# Altium PCB JDDZ.PcbDoc
Units mil, origin at the board's own origin, x right, y up, seen from the top; angles counter-clockwise.
Board outline 2165.35 x 2165.35 mil, 2 copper layers (Top Layer, Bottom Layer); 69 components, 50 nets, 275 pads, 93 vias.
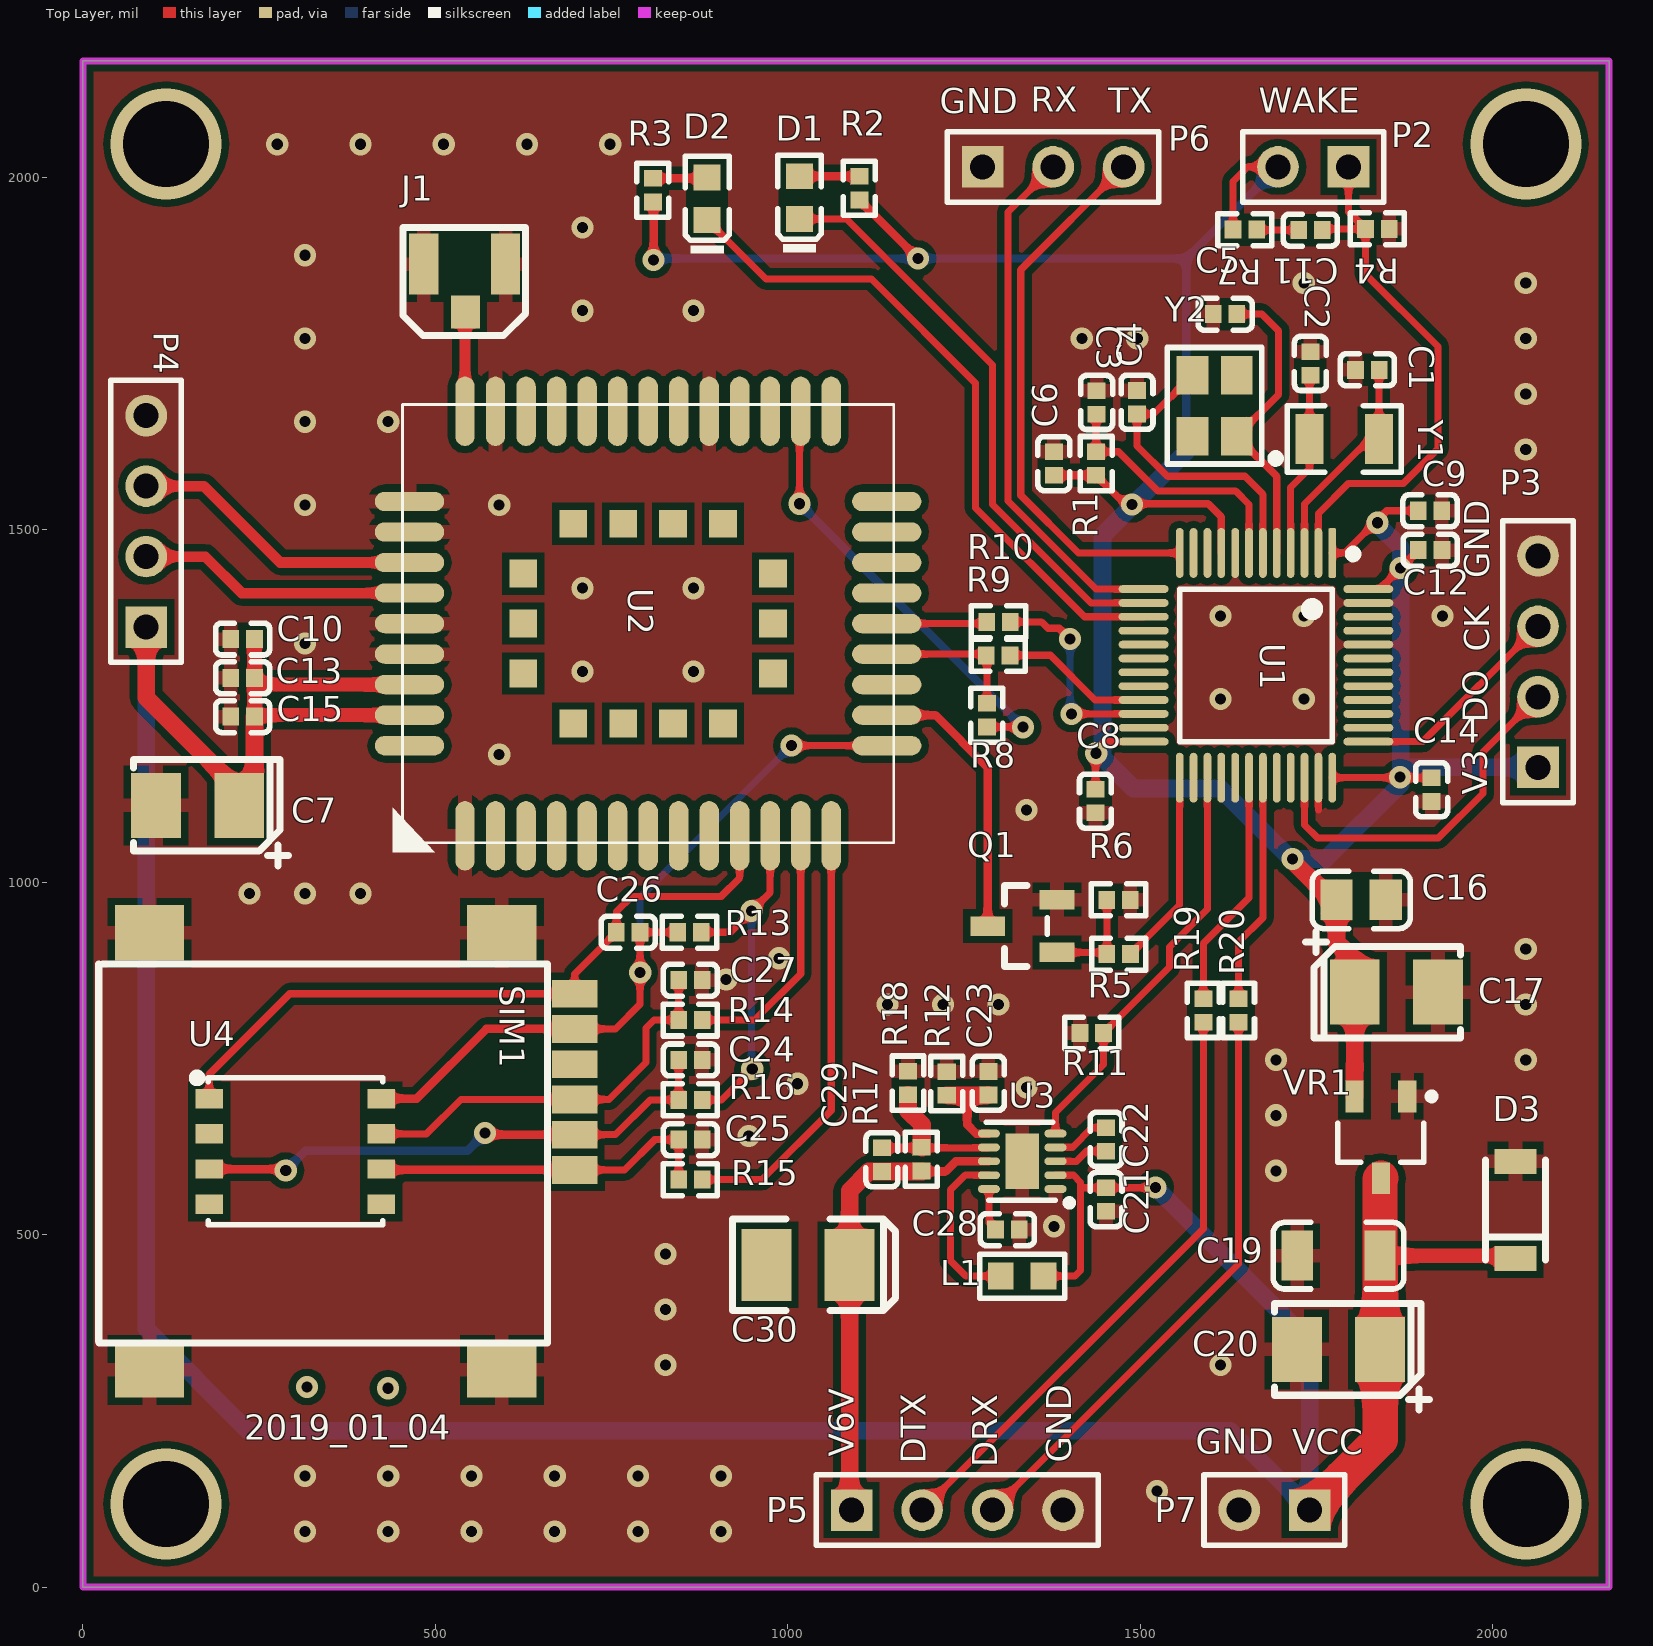
[diagram p0: Top Layer view]
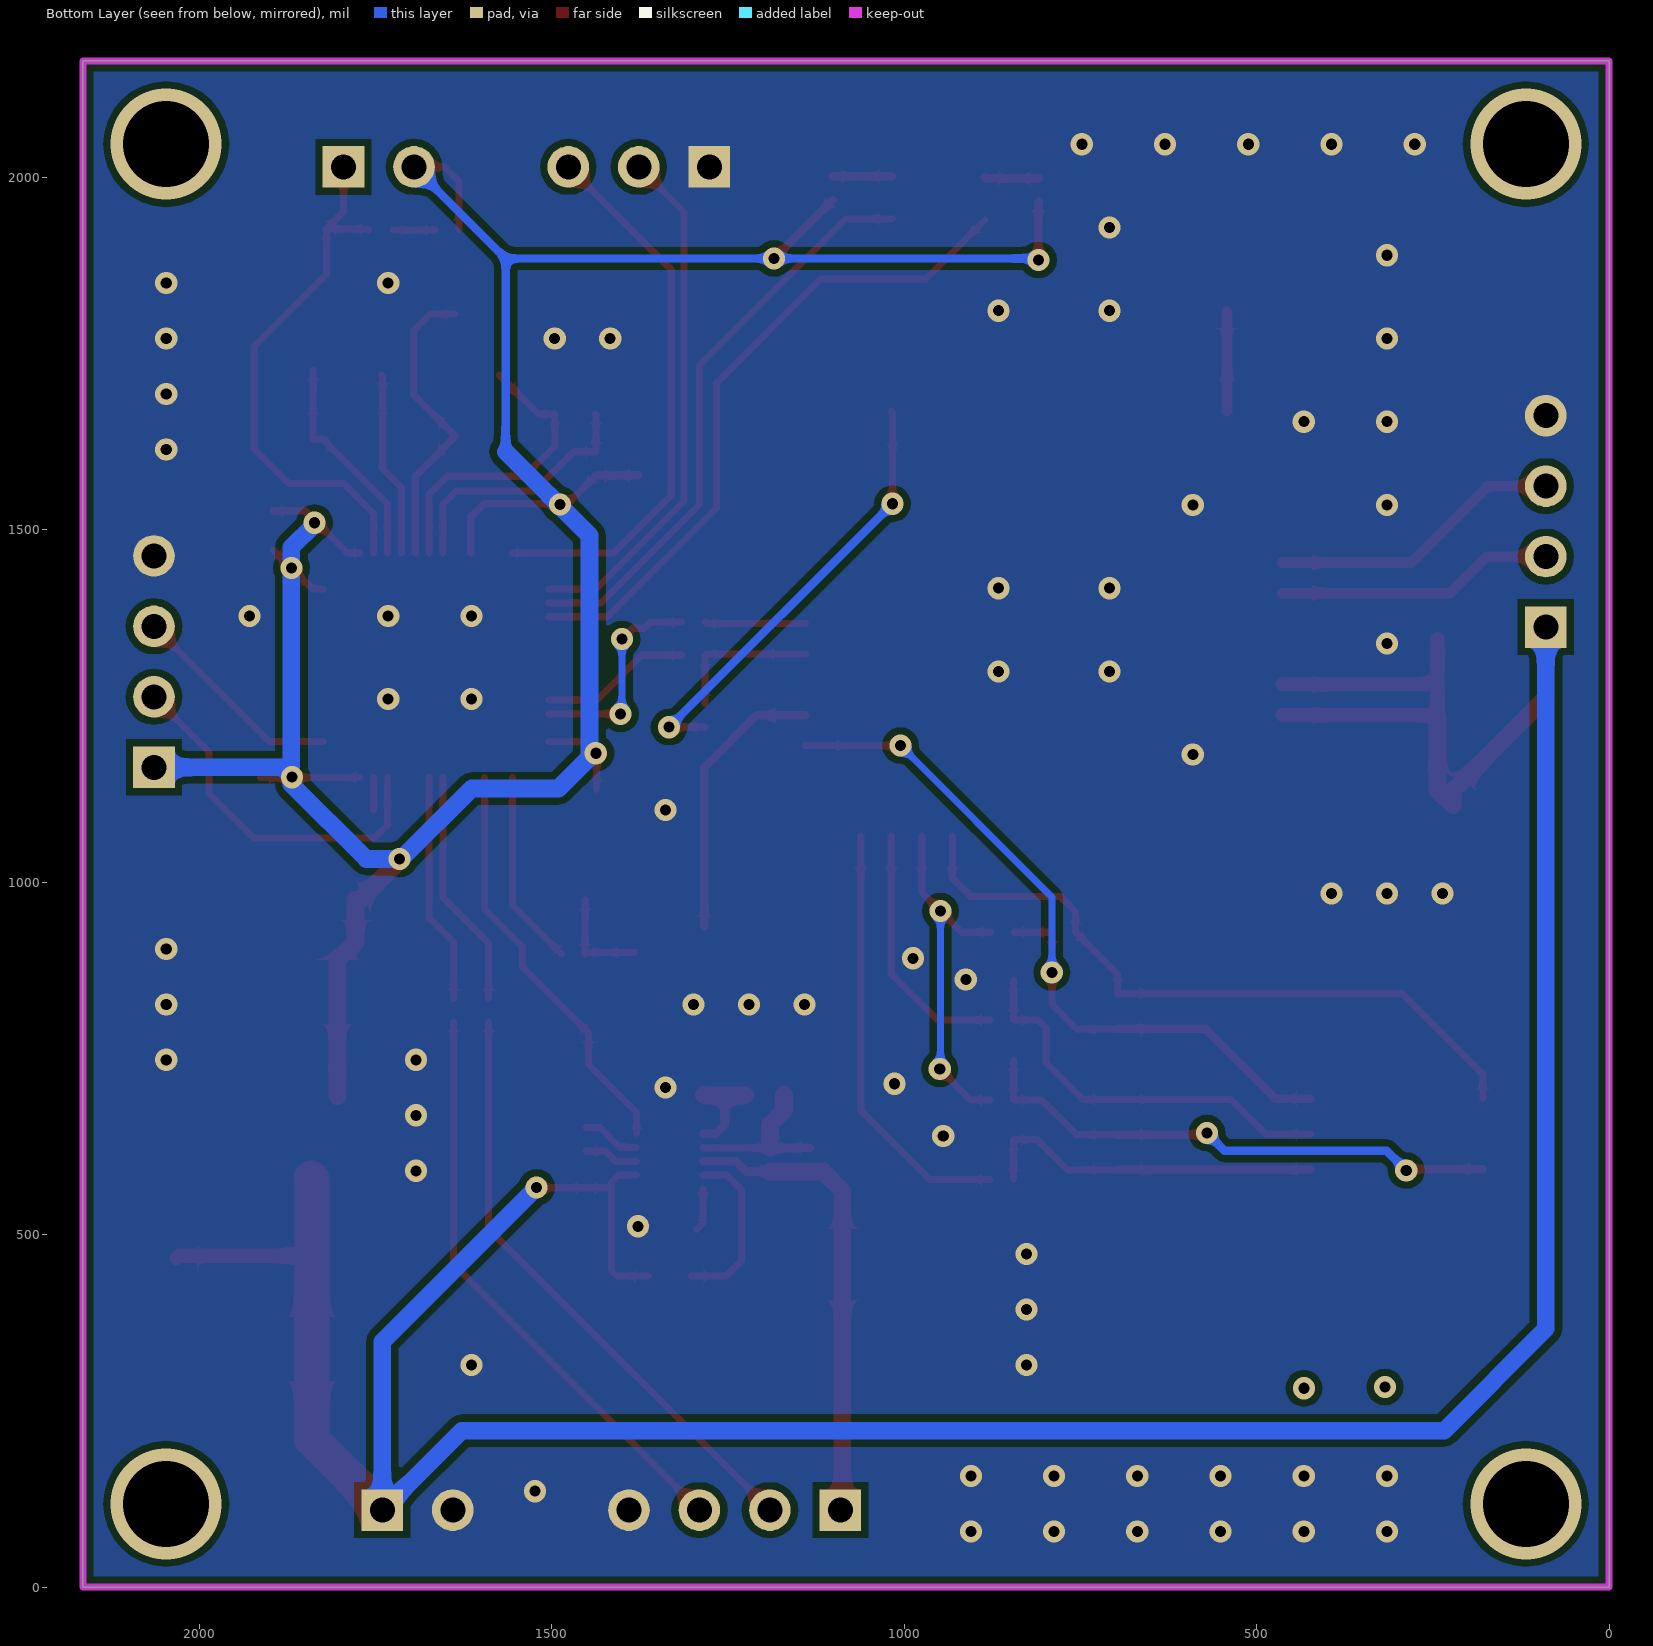
[diagram p1: Bottom Layer view, seen from below]
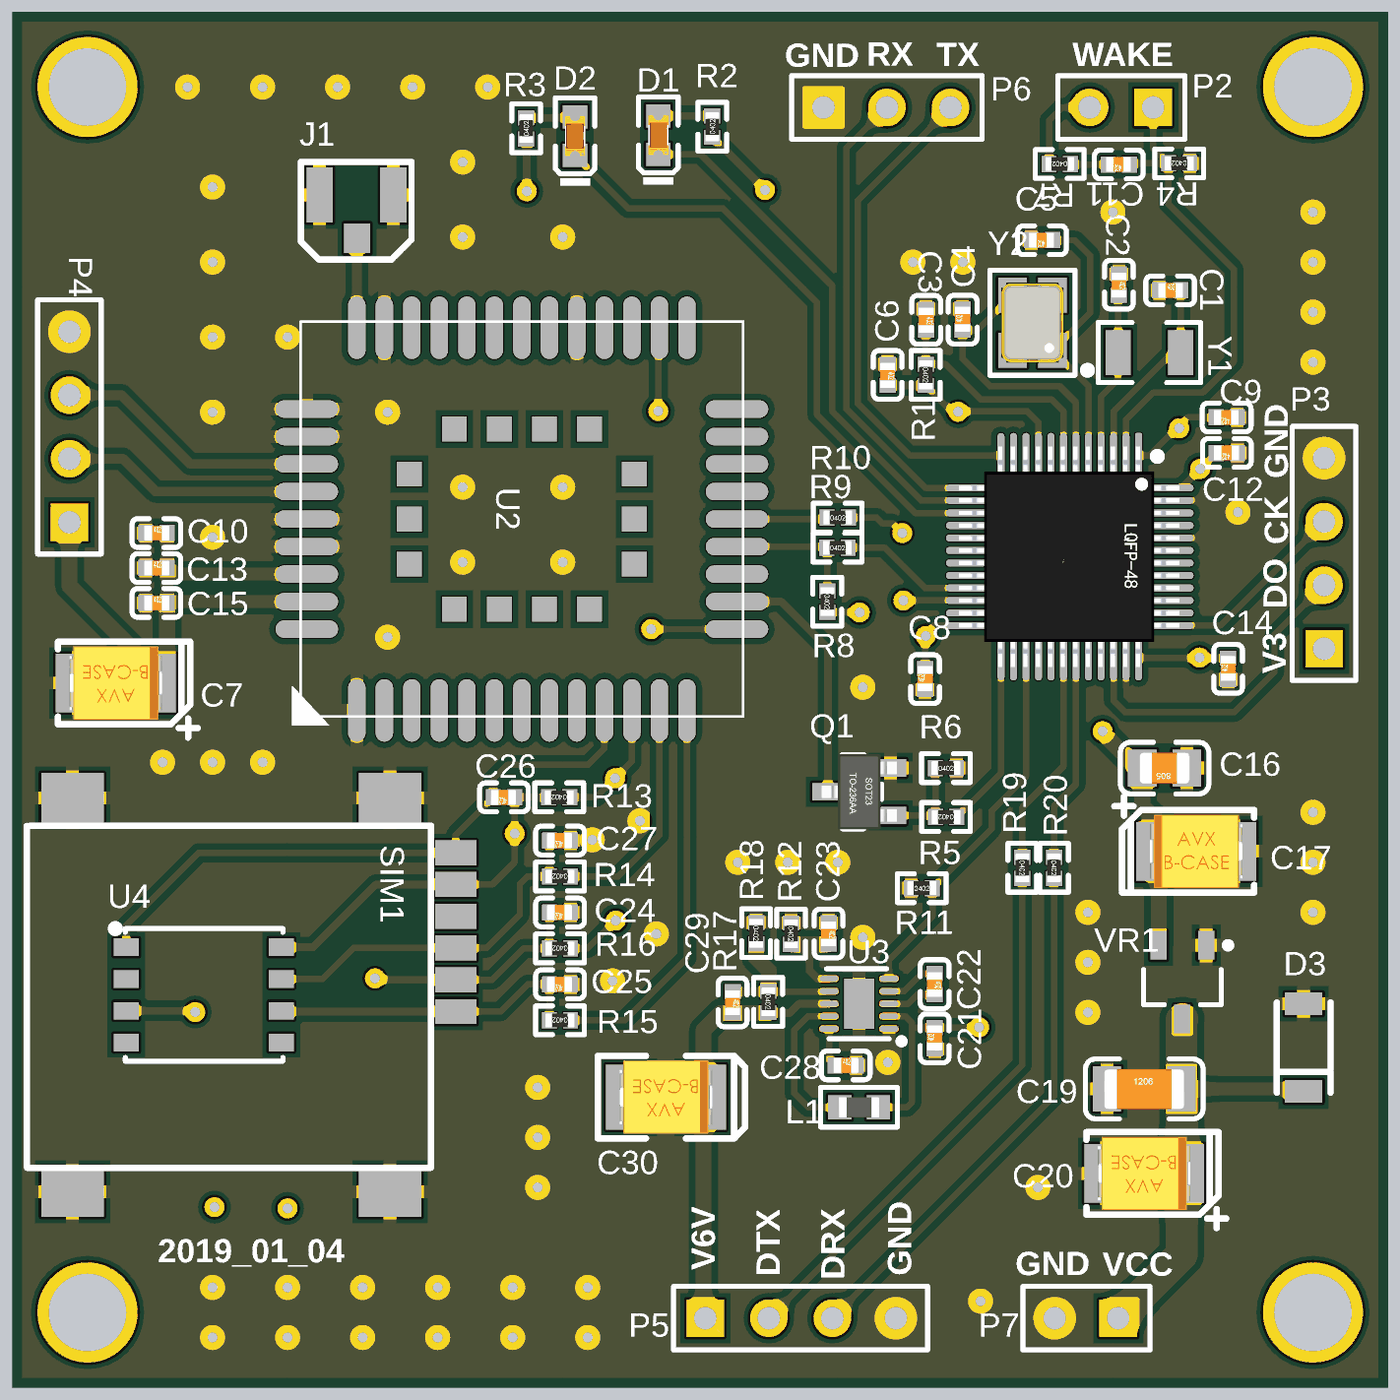
[diagram p2: 3D render of the assembled board from above, using the file's embedded part models]

## Layer stack, top to bottom
Top Solder: solder mask 0.4, Solder Resist, Dk 3.5
Top Layer: signal copper 1.4
Dielectric 1: dielectric 12.6, FR-4, Dk 4.8
Bottom Layer: signal copper 1.4
Bottom Solder: solder mask 0.4, Solder Resist, Dk 3.5

## Board outline
0,0 0,2165.35 2165.35,2165.35 2165.35,0

## Design rules (kind name [scope] priority, off if disabled: settings)
Clearance Clearance_7 [InNamedPolygon('Top Layer-No Net 1')] p1: gap=10 ignorepadtopadclearanceinfootprint=FALSE except(0: Arc-Hole Track-Hole SMDPad-Hole THPad-Hole Via-Hole Fill-Hole Poly-Hole Region-Hole Text-Hole)
Clearance Clearance_6 [InNamedPolygon('Top Layer-No Net 1')] p2: gap=10 ignorepadtopadclearanceinfootprint=FALSE except(0: Arc-Hole Track-Hole SMDPad-Hole THPad-Hole Via-Hole Fill-Hole Poly-Hole Region-Hole Text-Hole)
Clearance Clearance_5 [InNamedPolygon('Top Layer-No Net 1')] p3: gap=10 ignorepadtopadclearanceinfootprint=TRUE except(0: Arc-Hole Track-Hole SMDPad-Hole THPad-Hole Via-Hole Fill-Hole Poly-Hole Region-Hole Text-Hole)
Clearance Clearance_4 [InNamedPolygon('Top Layer-No Net 1')] p4: gap=12 ignorepadtopadclearanceinfootprint=FALSE
Clearance Clearance_3 [InNamedPolygon('Top Layer-No Net 1')] p5: gap=12 ignorepadtopadclearanceinfootprint=FALSE
Clearance Clearance_2 [InPolygon] p6: gap=12 ignorepadtopadclearanceinfootprint=FALSE
Clearance Clearance_1 [InComponent('U3')] p7: gap=7 ignorepadtopadclearanceinfootprint=FALSE
Clearance [All] p8: gap=8 ignorepadtopadclearanceinfootprint=FALSE
ComponentClearance [All] p1 off: gap=10 collisioncheckmode=3 verticalgap=10 showdistances=FALSE
PolygonConnect PolygonConnect_1 [IsVia] p1: connectstyle=Direct reliefconductorwidth=10 reliefentries=4 polygonreliefangle="90 Angle" airgapwidth=10
PolygonConnect [All] p2: thpad.connectstyle=Direct thpad.reliefconductorwidth=10 thpad.reliefentries=4 thpad.polygonreliefangle="90 Angle" thpad.airgapwidth=10 smdpad.connectstyle=Relief smdpad.reliefconductorwidth=20 smdpad.reliefentries=4 smdpad.polygonreliefangle="90 Angle" smdpad.airgapwidth=10 via.connectstyle=Relief via.reliefconductorwidth=10 via.reliefentries=4 via.polygonreliefangle="90 Angle" via.airgapwidth=10
RoutingVias [All] p1: holewidth=28 width=50 viastyle="Through Hole" minholewidth=11.81 minwidth=23.62 maxholewidth=28 maxwidth=50
SolderMaskExpansion [All] p1: expansion=4
Width [All] p1: maxlimit=50 minlimit=10 preferedwidth=10
29 further rules are at their usual default settings.

## Components (designator, comment, footprint, x,y, rotation, side; value= is the part's Value field where it differs from the comment)
C1 "20pF (200) 5% 50V" 0402_C 1822.38,1727.15 r0 top
C2 "20pF (200) 5% 50V" 0402_C 1741.65,1736.15 r270 top
C3 "100nF (104) 10% 16V" 0402_C 1438.28,1680.8 r270 top
C4 "12pF (120) 5% 50V" 0402_C 1495.65,1681.09 r90 top
C5 "12pF (120) 5% 50V" 0402_C 1620.65,1806.09 r180 top
C6 "100nF (104) 10% 16V" 0402_C 1377.65,1594.09 r270 top
C7 "100uF (107) ±10% 6.3V" CASE-B_3528#1 162.65,1109.09 r180 top
C8 "100nF (104) 10% 16V" 0402_C 1436.65,1115.15 r90 top
C9 "100nF (104) 10% 16V" 0402_C 1911.38,1527.15 r180 top
C10 "100nF (104) 10% 16V" 0402_C 226.65,1345.09 r0 top
C11 "100nF (104) 10% 16V" 0402_C 1741.65,1925.36 r180 top
C12 "100nF (104) 10% 16V" 0402_C 1911.65,1471.15 r180 top
C13 "100nF (104) 10% 16V" 0402_C 226.65,1290.09 r0 top
C14 "100nF (104) 10% 16V" 0402_C 1913.65,1131.36 r90 top
C15 "22pF (220) 5% 50V" 0402_C 226.65,1235.09 r0 top
C16 "10uF (106) 10% 25V" 0805_C 1813.65,975.09 r180 top
C17 "100uF (107) ±10% 6.3V" CASE-B_3528#1 1863.65,844.09 r0 top
C19 "10uF (106) 10% 50V" 1206_C 1781.65,470.09 r0 top
C20 "100uF (107) ±10% 6.3V" CASE-B_3528#1 1781.65,337.09 r180 top
C21 "4.7uF (475) 20% 10V" 0402_C 1451.65,549.83 r90 top
C22 "100nF (104) 10% 16V" 0402_C 1451.65,635.09 r270 top
C23 "1.0uF (105) 10% 25V" 0402_C 1284.65,714.83 r270 top
C24 "33pF (330) 5% 50V" 0402_C 861.91,747.89 r180 top
C25 "33pF (330) 5% 50V" 0402_C 861.91,634.69 r180 top
C26 "100nF (104) 10% 16V" 0402_C 773.65,929.09 r180 top
C27 "33pF (330) 5% 50V" 0402_C 861.91,861.09 r180 top
C28 "100nF (104) 10% 16V" 0402_C 1311.65,507.09 r0 top
C29 "10nF (103) 10% 50V" 0402_C 1133.65,606.36 r270 top
C30 "100uF (107) ±10% 10V" CASE-B_3528#2 1028.7,457.09 r0 top
D1 "绿灯 0603" 0603_LED_S1 1016.75,1971.41 r90 top
D2 "红灯 0603" 0603_LED_S1 885.65,1969.83 r90 top
D3 "ZMM5V6" LL-34 2032.65,535.09 r90 top
J1 "SMB" IPX_SMT 483.5,1877.09 r0 top
L1 "10uH ±10%" 0603_L 1332.65,441.09 r180 top
P2 "Header 2" HDR1X2 1795.65,2015.09 r180 top
P3 "Header 4" HDR1X4 2064.65,1163.09 r90 top
P4 "Header 4" HDR1X4 89.65,1362.09 r90 top
P5 "Header 4" HDR1X4 1090.65,109.09 r0 top
P6 "Header 3" HDR1X3 1276.65,2015.09 r0 top
P7 "Header 2" HDR1X2 1740.65,109.09 r180 top
Q1 "SS8050 Y1" SOT-23(SOT-23-3) 1332.86,937.83 r0 top
R1 "47KΩ (4702) ±1%" 0402_R 1437.65,1594.15 r270 top
R2 "1KΩ (1001) ±1%" 0402_R 1101.65,1984.83 r90 top
R3 "1KΩ (1001) ±1%" 0402_R 808.65,1982.09 r90 top
R4 "4.7KΩ (4701) ±1%" 0402_R 1836.65,1927.09 r180 top
R5 "4.7KΩ (4701) ±1%" 0402_R 1469.65,898.09 r180 top
R6 "47KΩ (4702) ±1%" 0402_R 1469.38,975.09 r0 top
R7 "100Ω (1000) ±1%" 0402_R 1648.65,1926.09 r180 top
R8 "1MΩ (1004) ±1%" 0402_R 1282.65,1237.09 r270 top
R9 "1KΩ (1001) ±1%" 0402_R 1298.65,1322.09 r0 top
R10 "1KΩ (1001) ±1%" 0402_R 1299.1,1369.46 r0 top
R11 "10KΩ (1002) ±1%" 0402_R 1431.38,786.09 r0 top
R12 "200KΩ (2003) ±1%" 0402_R 1225.65,714.36 r270 top
R13 "10KΩ (1002) ±1%" 0402_R 860.65,929.09 r180 top
R14 "22Ω (22R0) ±1%" 0402_R 861.91,804.49 r180 top
R15 "22Ω (22R0) ±1%" 0402_R 861.91,578.09 r180 top
R16 "22Ω (22R0) ±1%" 0402_R 861.91,691.29 r180 top
R17 "150KΩ (1503) ±1%" 0402_R 1189.65,607.09 r270 top
R18 "10KΩ (1002) ±1%" 0402_R 1170.65,715.09 r270 top
R19 "22Ω (22R0) ±1%" 0402_R 1589.65,818.09 r270 top
R20 "22Ω (22R0) ±1%" 0402_R 1639.65,818.09 r270 top
SIM1 "SIM_CARD" microSIMauto 434.38,648.09 r270 top
U1 "STM32L151C8T6" LQFP-48_7x7x05P 1664.38,1307.83 r270 top
U2 "BC26/28" bc26 801.91,1367.09 r90 top
U3 "TPS61093DSKR" LC-WSON-10_2.5x2.5mm 1332.65,604.09 r90 top
U4 "SIM-SMT" SIM-SOP 301.65,618.09 r0 top
VR1 "XC6206P332MR" SOT-23-3L 1841.65,638.09 r90 top
Y1 "32.768KHz ±20ppm 12.5pF" "SMD-3215_2P FC - 135" 1789.65,1629.15 r0 top
Y2 "16MHZ 9PF 10PPM" SMD-3225_4P 1605.65,1676.15 r90 top

## Footprints (in the part's own frame and the unit in brackets; to place one, negate y for a bottom-side part, rotate by r counter-clockwise, add the part's x,y. Pads: shape width x height; smd on the part's side, far side on the other; paste and mask are expansions set on the pad)
0402_C [mm]
  rect 0.6x0.65 smd mask+0.051: 1(-0.425,0) 2(0.425,0)
  silkscreen extent -0.97,-0.58 0.97,0.58, body extent -0.48,-0.3 0.52,0.3, height 0.2
0402_R [mm]
  rect 0.6x0.65 smd mask+0.051: 1(-0.425,0) 2(0.425,0)
  silkscreen extent -0.97,-0.58 0.97,0.58, body extent -0.57,-0.27 0.58,0.28, height 0.41
0603_L [mm]
  rect 0.93x0.98 smd: 1(-0.77,0) 2(0.77,0)
  silkscreen extent -1.53,-0.79 1.54,0.79, body extent -0.82,-0.41 0.83,0.41, height 0.46
0603_LED_S1 [mm]
  rect 0.93x0.98 smd: A(0.77,0) K(-0.77,0)
  silkscreen extent -1.98,-0.79 1.54,0.79, body extent -0.8,-0.4 0.8,0.4, height 0.6
0805_C [mm]
  rect 1.16x1.47 smd: 1(-0.89,0) 2(0.89,0)
  silkscreen extent -1.77,-1.04 1.77,1.04, body extent -1,-0.62 1,0.63, height 0.77
1206_C [mm]
  rect 1.13x1.8 smd: 1(-1.49,0) 2(1.49,0)
  silkscreen extent -2.36,-1.2 2.35,1.2, body extent -1.6,-0.81 1.6,0.79, height 1
bc26 [mm]
  oval 2.5x0.7 smd mask+0.05: 1(-7.65,6.6) 2(-7.65,5.5) 3(-7.65,4.4) 4(-7.65,3.3) 5(-7.65,2.2) 6(-7.65,1.1) 7(-7.65,0) 8(-7.65,-1.1) 9(-7.65,-2.2) 10(-7.65,-3.3) 11(-7.65,-4.4) 12(-7.65,-5.5) 13(-7.65,-6.6) 23(7.65,-6.6) 24(7.65,-5.5) 25(7.65,-4.4) 26(7.65,-3.3) 27(7.65,-2.2) 28(7.65,-1.1) 29(7.65,0) 30(7.65,1.1) 31(7.65,2.2) 32(7.65,3.3) 33(7.65,4.4) 34(7.65,5.5) 35(7.65,6.6)
  oval 0.7x2.5 smd mask+0.05: 14(-4.4,-8.6) 15(-3.3,-8.6) 16(-2.2,-8.6) 17(-1.1,-8.6) 18(0,-8.6) 19(1.1,-8.6) 20(2.2,-8.6) 21(3.3,-8.6) 22(4.4,-8.6) 36(4.4,8.6) 37(3.3,8.6) 38(2.2,8.6) 39(1.1,8.6) 40(0,8.6) 41(-1.1,8.6) 42(-2.2,8.6) 43(-3.3,8.6) 44(-4.4,8.6)
  rect 1x1 smd mask+0.05: 45(-3.6,2.7) 46(-3.6,0.9) 47(-3.6,-0.9) 48(-3.6,-2.7) 49(-1.8,-4.5) 50(0,-4.5) 51(1.8,-4.5) 52(3.6,-2.7) 53(3.6,-0.9) 54(3.6,0.9) 55(3.6,2.7) 56(1.8,4.5) 57(0,4.5) 58(-1.8,4.5)
  silkscreen extent -8.25,-8.85 7.9,9.2
CASE-B_3528#1 [mm] "钽电容B型"
  rect 1.8x2.35 smd: 1(-1.5,0) 2(1.5,0)
  silkscreen extent -3.28,-1.65 2.31,2.18, body extent -1.85,-1.46 1.85,1.47, height 2.03
CASE-B_3528#2 [mm]
  rect 1.8x2.6 smd: 1(1.5,0) 2(-1.5,0)
  silkscreen extent -2.73,-1.65 3.16,1.65, body extent -1.85,-1.47 1.85,1.46, height 2.03
HDR1X2 [mm] "Connector; Header; 2 Position"
  rect 1.5x1.5 hole 0.9: 1(0,0)
  round 1.5 hole 0.9: 2(2.54,0)
  silkscreen extent -1.27,-1.27 3.81,1.27
HDR1X3 [mm] "Connector; Header; 3 Position"
  rect 1.5x1.5 hole 0.9: 1(0,0)
  round 1.5 hole 0.9: 2(2.54,0) 3(5.08,0)
  silkscreen extent -1.27,-1.27 6.35,1.27
HDR1X4 [mm] "Connector; Header; 4 Position"
  rect 1.5x1.5 hole 0.9: 1(0,0)
  round 1.5 hole 0.9: 2(2.54,0) 3(5.08,0) 4(7.62,0)
  silkscreen extent -1.27,-1.27 8.89,1.27
IPX_SMT [mm] "IPX"
  rect 1.05x1.2 smd: 1(1.5,-1.725)
  rect 1.05x2.2 smd: 2(0,0) 2(2.95,0)
  silkscreen extent -0.75,-2.58 3.67,1.33
LC-WSON-10_2.5x2.5mm [mm]
  rect 2x1.2 smd mask+0.051: 0(0,0)
  oval 0.28x0.8 smd paste-0.025 mask+0.051: 1(-1,-1.2) 2(-0.5,-1.2) 3(0,-1.2) 4(0.5,-1.2) 5(1,-1.2) 6(1,1.2) 7(0.5,1.2) 8(0,1.2) 9(-0.5,1.2) 10(-1,1.2)
  silkscreen extent -1.62,-1.82 1.4,1.3
LL-34 [mm]
  rect 0.9x1.5 smd: 1(1.75,0) 2(-1.75,0)
  silkscreen extent -1.8,-1.08 1.8,1.08
LQFP-48_7x7x05P [mm]
  rrect50% 1.8x0.28 smd mask+0.051: 1(-4.05,2.75)
  oval 1.8x0.28 smd mask+0.051: 2(-4.05,2.25) 3(-4.05,1.75) 4(-4.05,1.25) 5(-4.05,0.75) 6(-4.05,0.25) 7(-4.05,-0.25) 8(-4.05,-0.75) 9(-4.05,-1.25) 10(-4.05,-1.75) 11(-4.05,-2.25) 12(-4.05,-2.75) 25(4.05,-2.75) 26(4.05,-2.25) 27(4.05,-1.75) 28(4.05,-1.25) 29(4.05,-0.75) 30(4.05,-0.25) 31(4.05,0.25) 32(4.05,0.75) 33(4.05,1.25) 34(4.05,1.75) 35(4.05,2.25) 36(4.05,2.75)
  oval 0.28x1.8 smd mask+0.051: 13(-2.75,-4.05) 14(-2.25,-4.05) 15(-1.75,-4.05) 16(-1.25,-4.05) 17(-0.75,-4.05) 18(-0.25,-4.05) 19(0.25,-4.05) 20(0.75,-4.05) 21(1.25,-4.05) 22(1.75,-4.05) 23(2.25,-4.05) 24(2.75,-4.05) 37(2.75,4.05) 38(2.25,4.05) 39(1.75,4.05) 40(1.25,4.05) 41(0.75,4.05) 42(0.25,4.05) 43(-0.25,4.05) 44(-0.75,4.05) 45(-1.25,4.05) 46(-1.75,4.05) 47(-2.25,4.05) 48(-2.75,4.05)
  silkscreen extent -4.16,-2.75 2.75,3.65, body extent -4.41,-4.44 4.41,4.39, height 1.4
microSIMauto [mm]
  rect 1x1.65 smd: 1(-3.651,6.689) 2(-1.111,6.689) 3(1.429,6.689) 4(-4.921,6.689) 5(-2.381,6.689) 6(0.159,6.689)
  rect 2x2.5 smd: GND(-7.112,4.064) GND(-7.112,-8.636) GND(8.636,4.064) GND(8.636,-8.636)
  silkscreen extent -6,-10.46 7.67,5.7
SIM-SOP [mm]
  rect 1x0.7 smd: 1(-3.113,1.905) 2(-3.113,0.635) 3(-3.113,-0.635) 4(-3.113,-1.905) 5(3.088,-1.905) 6(3.088,-0.635) 7(3.088,0.635) 8(3.088,1.905)
  silkscreen extent -3.6,-2.65 3.15,2.7, body extent -2.82,-2.5 3.18,2.5, height 2.65
"SMD-3215_2P FC - 135" [mm]
  rect 1x1.8 smd: 1(-1.25,0) 2(1.25,0)
  silkscreen extent -2.05,-1.2 2.05,1.2
SMD-3225_4P [mm]
  rect 1.4x1.15 smd: 1(-1.1,-0.8) 2(1.1,-0.8) 3(1.1,0.8) 4(-1.1,0.8)
  silkscreen extent -2.1,-2.35 2.1,1.7, body extent -1.6,-1.25 1.6,1.25, height 0.61
SOT-23(SOT-23-3) [mm]
  rect 1.25x0.7 smd: 1(1.25,-0.95) 2(1.25,0.95) 3(-1.25,0)
  silkscreen extent -0.65,-1.46 0.9,1.46, body extent -1.5,-1.5 1.5,1.5, height 1.3
SOT-23-3L [mm] "http://www.aosmd.com/res/packaging_information/SOT-23-3L.pdf"
  rect 1.15x0.65 smd: 1(1.475,-0.95) 2(1.475,0.95) 3(-1.475,0)
  silkscreen extent -0.9,-1.95 1.6,1.55, body extent -0.9,-1.55 0.9,1.55, height 1.25

## Part data
C1 C2: library part "0402 20pF (200) 5% 50V", "贴片电容", Package=0402, SuppliersPartNumber=C1554, ComponentLink1Description=供应商链接, ComponentLink1URL=http://www.szlcsc.com/product/details_1906.html, Supplier=LC
C3 C6 C8 C9 C10 C11 C12 C13 C14 C22 C26 C28: library part "0402 100nF (104) 10% 16V", "贴片电容", Package=0402, SuppliersPartNumber=C1525, ComponentLink1Description=供应商链接, ComponentLink1URL=http://www.szlcsc.com/product/details_1877.html, Supplier=LC
C4 C5: library part "0402 12pF (120) 5% 50V", "贴片电容", Package=0402, SuppliersPartNumber=C1547, ComponentLink1Description=供应商链接, ComponentLink1URL=http://www.szlcsc.com/product/details_1899.html, Supplier=LC
C7 C17 C20 C30: library part "3528 100uF (107) 10% 6.3V", "钽电容", Package=3528, SuppliersPartNumber=C16133, ComponentLink1Description=供应商链接, ComponentLink1URL=http://www.szlcsc.com/product/details_16815.html, Supplier=LC
C15: library part "0402 22pF (220) 5% 50V", "贴片电容", Package=0402, SuppliersPartNumber=C1555, ComponentLink1Description=供应商链接, ComponentLink1URL=http://www.szlcsc.com/product/details_1907.html, Supplier=LC
C16: library part "0805 10uF (106) 10% 25V", "贴片电容", Package=0805, SuppliersPartNumber=C15850, ComponentLink1Description=供应商链接, ComponentLink1URL=http://www.szlcsc.com/product/details_16532.html, Supplier=LC
C19: library part "1206 10uF (106) 10% 50V", "贴片电容", Package=1206, SuppliersPartNumber=C13585, ComponentLink1Description=供应商链接, ComponentLink1URL=http://www.szlcsc.com/product/details_14236.html, Supplier=LC
C21: library part "0402 4.7uF (475) 20% 10V", "贴片电容", Package=0402, SuppliersPartNumber=C23733, ComponentLink1Description=供应商链接, ComponentLink1URL=http://www.szlcsc.com/product/details_24469.html, Supplier=LC
C23: library part "0402 1.0uF (105) 10% 25V", "贴片电容", Package=0402, SuppliersPartNumber=C52923, ComponentLink1Description=供应商链接, ComponentLink1URL=http://www.szlcsc.com/product/details_53938.html, Supplier=LC
C24 C25 C27: library part "0402 33pF (330) 5% 50V", "贴片电容", Package=0402, SuppliersPartNumber=C1562, ComponentLink1Description=供应商链接, ComponentLink1URL=http://www.szlcsc.com/product/details_1914.html, Supplier=LC
C29: library part "0402 10nF (103) 10% 50V", "贴片电容", Package=0402, SuppliersPartNumber=C15195, ComponentLink1Description=供应商链接, ComponentLink1URL=http://www.szlcsc.com/product/details_15869.html, Supplier=LC
D1: library part "0603 绿灯", "发光二极管", Package=0603, SuppliersPartNumber=C72043, ComponentLink1Description=供应商链接, ComponentLink1URL=http://www.szlcsc.com/product/details_73152.html, Supplier=LC
D2: library part "0603 红灯", "发光二极管", Package=0603, SuppliersPartNumber=C2286, ComponentLink1Description=供应商链接, ComponentLink1URL=http://www.szlcsc.com/product/details_2659.html, Supplier=LC
D3: library part "LL-34 ZMM5V6", "稳压二极管", Package=LL-34, SuppliersPartNumber=C8062, ComponentLink1Description=供应商链接, ComponentLink1URL=http://www.szlcsc.com/product/details_8541.html, Supplier=LC
J1: "SMB Straight Connector", LatestRevisionDate=17-Jul-2002, LatestRevisionNote="Re-released for DXP Platform.", Publisher="Altium Limited"
L1: library part "0603 10uH 10%", "贴片电感", Package=0603, SuppliersPartNumber=C1035, ComponentLink1Description=供应商链接, ComponentLink1URL=http://www.szlcsc.com/product/details_1387.html, Supplier=LC
P2 P7: "Header, 2-Pin", LatestRevisionDate=17-Jul-2002, LatestRevisionNote="Re-released for DXP Platform.", Publisher="Altium Limited"
P3 P4 P5: "Header, 4-Pin", LatestRevisionDate=17-Jul-2002, LatestRevisionNote="Re-released for DXP Platform.", Publisher="Altium Limited"
P6: "Header, 3-Pin", LatestRevisionDate=17-Jul-2002, LatestRevisionNote="Re-released for DXP Platform.", Publisher="Altium Limited"
Q1: library part "SOT-23 SS8050 Y1", "三极管", Package=SOT-23, SuppliersPartNumber=C2150, ComponentLink1Description=供应商链接, ComponentLink1URL=http://www.szlcsc.com/product/details_2507.html, Supplier=LC
R1 R6: library part "0402 47KΩ (4702) 1%", "贴片电阻", Package=0402, SuppliersPartNumber=C25792, ComponentLink1Description=供应商链接, ComponentLink1URL=http://www.szlcsc.com/product/details_26535.html, Supplier=LC
R2 R3 R9 R10: library part "0402 1KΩ (1001) 1%", "贴片电阻", Package=0402, SuppliersPartNumber=C11702, ComponentLink1Description=供应商链接, ComponentLink1URL=http://www.szlcsc.com/product/details_12256.html, Supplier=LC
R4 R5: library part "0402 4.7KΩ (4701) 1%", "贴片电阻", Package=0402, SuppliersPartNumber=C25900, ComponentLink1Description=供应商链接, ComponentLink1URL=http://www.szlcsc.com/product/details_26643.html, Supplier=LC
R7: library part "0402 100Ω (1000) 1%", "贴片电阻", Package=0402, SuppliersPartNumber=C25076, ComponentLink1Description=供应商链接, ComponentLink1URL=http://www.szlcsc.com/product/details_25819.html, Supplier=LC
R8: library part "0402 1MΩ (1004) 1%", "贴片电阻", Package=0402, SuppliersPartNumber=C26083, ComponentLink1Description=供应商链接, ComponentLink1URL=http://www.szlcsc.com/product/details_26826.html, Supplier=LC
R11 R13 R18: library part "0402 10KΩ (1002) 1%", "贴片电阻", Package=0402, SuppliersPartNumber=C25744, ComponentLink1Description=供应商链接, ComponentLink1URL=http://www.szlcsc.com/product/details_26487.html, Supplier=LC
R12: library part "0402 200KΩ (2003) 1%", "贴片电阻", Package=0402, SuppliersPartNumber=C25764, ComponentLink1Description=供应商链接, ComponentLink1URL=http://www.szlcsc.com/product/details_26507.html, Supplier=LC
R14 R15 R16 R19 R20: library part "0402 22Ω (22R0) 1%", "贴片电阻", Package=0402, SuppliersPartNumber=C25092, ComponentLink1Description=供应商链接, ComponentLink1URL=http://www.szlcsc.com/product/details_25835.html, Supplier=LC
R17: library part "0402 150KΩ (1503) 1%", "贴片电阻", Package=0402, SuppliersPartNumber=C25755, ComponentLink1Description=供应商链接, ComponentLink1URL=http://www.szlcsc.com/product/details_26498.html, Supplier=LC
U1: "ARM", Package=LQFP-48_7x7x05P, SuppliersPartNumber=C9861, ComponentLink1Description=供应商链接, ComponentLink1URL=http://www.szlcsc.com/product/details_10393.html, Supplier=LC
U2: library part BC26
VR1: library part "SOT-23 XC6206P332MR", "低压差线性稳压(LDO)", Package=SOT-23, SuppliersPartNumber=C5446, ComponentLink1Description=供应商链接, ComponentLink1URL=http://www.szlcsc.com/product/details_5896.html, Supplier=LC
Y1: library part "SMD-3215_2P 32.768KHz 20ppm 12.5pF", "贴片晶振", Package=SMD-3215_2P, SuppliersPartNumber=C32346, ComponentLink1Description=供应商链接, ComponentLink1URL=http://www.szlcsc.com/product/details_33310.html, Supplier=LC
Y2: library part "SMD-3225_4P  16MHZ 9PF 10PPM", "贴片晶振", Package=SMD-3225_4P, SuppliersPartNumber=C13738, ComponentLink1Description=供应商链接, ComponentLink1URL=http://www.szlcsc.com/product/details_14393.html, Supplier=LC

## Via types
v1: diameter 31.5, hole 15.75, Top Layer to Bottom Layer, 89 vias
v2: diameter 157.48, hole 122.05, Top Layer to Bottom Layer, 4 vias

## Nets (pads, with @x,y where several pads share a name; then routed paths per layer and width w, separated by ;. In a path a pad name is that pad's centre, name@x,y a point inside that pad or via, vN(x,y) a via of type N, cw(c..) or ccw(c..) an arc to the next point about the centre after c; other vN are vias at no path point)
BATVCC: C7.1 C10.2 C13.2 C15.2 C19.2 C20.1 C21.2 D3.2 L1.1 P4.1 P7.1 U2.42 U2.43 U3.2 VR1.3 | length 5334.3
  Top Layer w10: L1.1 1407.65,441.09 1415.65,449.09 1415.65,565.09 ; U3.2 1405.33,584.41 1415.65,574.09 1415.65,565.09 ; v1(1521.65,567.09) 1521.11,566.56 C21.2 1417.11,566.56 1415.65,565.09
  Top Layer w20: C10.2 C13.2 ; U2.43 245.46,1237.17 C15.2 C13.2 ; U2.42 252.99,1280.48 C13.2 ; C19.2 2028.75,470.09 D3.2
  Top Layer w25: P4.1 89.65,1262.09 221.7,1130.04 C7.1 243.38,1130.77 C15.2
  Top Layer w50: P7.1 1840.7,209.15 C20.1 1840.7,469.7 C19.2 1840.31,578.69 VR1.3
  Bottom Layer w25: P4.1 89.65,366.35 234,222 1627.74,222 P7.1 1740.65,348.09 v1(1521.65,567.09)
BC28_RESET: Q1.3 U2.15 | length 399.1
  Top Layer w12: U2.15 1209.57,1237.17 1283.65,1163.09 Q1.3
BC28_RX: R8.1 R9.1 U2.17 | length 210.7
  Top Layer w10: U2.17 1280.22,1323.79 R9.1 1282.65,1321.36 R8.1
BC28_TX: R10.1 U2.18 | length 142.9
  Top Layer w10: U2.18 1280.01,1367.09 R10.1
BLUE_LED: D1.K U1.14 | length 829.8
  Top Layer w10: D1.K 1083.65,1941.09 1290.65,1734.09 1290.65,1536.09 1430.33,1396.41 U1.14
DEBUG_RX: P6.2 U1.13 | length 744.6
  Top Layer w10: P6.2 1312.65,1951.09 1312.65,1541.09 1437.65,1416.09 U1.13
DEBUG_TX: P6.3 U1.12 | length 785.8
  Top Layer w10: P6.3 1330.65,1869.09 1330.65,1549.09 1412.46,1467.28 U1.12
DY_EN: R11.2 U1.27 U3.5 | length 594.2
  Top Layer w10: U3.5 1379.89,673.34 1448.11,741.56 R11.2 1541.65,879.63 1541.65,908.09 1595.48,961.93 U1.27
GND: C1.1 C2.1 C3.1 C4.2 C5.2 C6.1 C7.2 C8.1 C9.1 C10.1 C12.1 C13.1 C14.1 C15.1 C16.1 C17.2 C19.1 C20.2 C21.1 C23.1 C24.1 C25.1 C27.1 C28.2 D3.1 J1.2 P3.4 P4.4 P5.4 P6.1 P7.2 Q1.2 R4.1 R6.2 R11.1 R12.1 R18.1 SIM1.GND U1.8 U1.23 U1.35 U1.44 U1.47 U2.1 U2.27 U2.34 U2.36 U2.37 U2.40 U2.41 U3.0 U3.1 VR1.1 | length 45.6
  Top Layer w10: 1752.96,1102.78 U1.35
  other v1: 314.96,78.74 433.07,78.74 551.18,78.74 669.29,78.74 787.4,78.74 905.51,78.74 1524,136 314.96,157.48 433.07,157.48 551.18,157.48 669.29,157.48 787.4,157.48 905.51,157.48 826.77,314.96 1614.17,314.96 826.77,393.7 826.77,472.44 1377.95,511.81 1692.91,590.55 944.65,640.09 1692.91,669.29 1338.58,708.66 1013.65,714.09 1692.91,748.03 2047.24,748.03 1141.73,826.77 1220.47,826.77 1299.21,826.77 2047.24,826.77 912.65,862.09 987.65,892.09 2047.24,905.51 236.22,984.25 314.96,984.25 393.7,984.25 1338.58,1102.36 590.55,1181.1 1614.17,1259.84 1732.28,1259.84 708.66,1299.21 866.14,1299.21 314.96,1338.58 1614.17,1377.95 1732.28,1377.95 1929.13,1377.95 708.66,1417.32 866.14,1417.32 314.96,1535.43 590.55,1535.43 2047.24,1614.17 314.96,1653.54 433.07,1653.54 2047.24,1692.91 314.96,1771.65 1417.32,1771.65 1496.06,1771.65 2047.24,1771.65 708.66,1811.02 866.14,1811.02 1732.28,1850.39 2047.24,1850.39 314.96,1889.76 708.66,1929.13 275.59,2047.24 393.7,2047.24 511.81,2047.24 629.92,2047.24 748.03,2047.24
NetC1_2: C1.2 U1.3 Y1.2 | length 311.4
  Top Layer w10: U1.3 1733.28,1536.72 1825.7,1629.15 Y1.2 1838.86,1726.9 C1.2
NetC2_2: C2.2 U1.4 Y1.1 | length 263.8
  Top Layer w10: U1.4 1713.59,1560.04 1740.43,1586.88 Y1.1 1740.43,1718.2 C2.2
NetC4_1: C4.1 U1.6 Y2.3 | length 436.8
  Top Layer w10: Y2.3 1519.06,1664.36 C4.1 1495.65,1619.09 1538.65,1576.09 1648.65,1576.09 1674.22,1550.52 U1.6
NetC5_1: C5.1 U1.5 Y2.1 | length 432.2
  Top Layer w10: C5.1 1672.65,1806.09 1696.65,1782.09 1696.65,1692.35 Y2.1 1693.91,1576.08 U1.5
NetC11_2: C11.2 R7.1 | length 59.8
  Top Layer w10: R7.1 1666.11,1925.36 C11.2
NetC22_1: C22.1 U3.4 | length 83.4
  Top Layer w10: U3.4 1403.87,623.78 1431.92,651.83 C22.1
NetC22_2: C22.2 U3.3 | length 77.7
  Top Layer w10: U3.3 1409.65,604.09 1423.91,618.36 C22.2
NetC23_2: C23.2 R12.2 U3.6 | length 137.8
  Top Layer w12: 1254.65,697.63 1254.65,656.09 1267.28,643.46 U3.6
  Top Layer w20: C23.2 C23.2@1285.4,697.34
  Top Layer w25: R12.2 1254.65,697.63 1284.18,697.63 C23.2
NetC24_2: C24.2 R16.2 SIM1.6 U4.3 | length 766.9
  Top Layer w10: v1@285.65,593.09 v1(287.65,591.09) ; v1(570.65,644.09) v1@572.9,641.84 ; SIM1.6 755.39,641.84 804.85,691.29 R16.2 C24.2
  Top Layer w12: U4.3 v1@285.65,593.09 ; v1@572.9,641.84 SIM1.6
  Bottom Layer w12: v1(287.65,591.09) 315.65,619.09 545.65,619.09 v1(570.65,644.09)
NetC25_2: C25.2 R15.2 SIM1.3 U4.6 | length 496.8
  Top Layer w10: SIM1.3 768.39,591.84 811.25,634.69 C25.2 R15.2
  Top Layer w12: U4.6 424.47,591.84 SIM1.3
NetC27_2: C27.2 R14.2 SIM1.2 U4.7 | length 574.1
  Top Layer w10: U4.7 487.65,643.09 536.39,691.84 SIM1.2 746.39,691.84 798.65,744.09 798.65,793.09 810.05,804.49 R14.2 C27.2
NetC28_1: C28.1 U3.10 | length 61.6
  Top Layer w10: U3.10 1285.4,516.61 C28.1
NetC29_1: C29.1 R17.1 R18.2 U3.7 | length 235.6
  Top Layer w10: R17.1@1190.65,623.09 1284.72,623.09 U3.7
  Top Layer w12: C29.1 R17.1@1190.65,623.09
  Top Layer w25: R18.2 1170.65,676.09 1190.65,656.09 R17.1@1190.65,623.09
NetD1_A: D1.A R2.2 | length 85
  Top Layer w12: D1.A 1101.48,2001.72 R2.2
NetD2_A: D2.A R3.2 | length 77.5
  Top Layer w12: R3.2 884.33,1998.83 D2.A
NetJ1_1: J1.1 U2.35 | length 141.1
  Top Layer w15: U2.35 542.07,1808.69 J1.1
NetL1_2: L1.2 U3.9 | length 244.4
  Top Layer w10: U3.9 1251.96,584.41 1230.65,563.09 1230.65,463.09 1252.65,441.09 L1.2
NetP5_2: P5.2 R19.2 | length 857.5
  Top Layer w10: P5.2 1589.65,508.09 R19.2
NetP5_3: P5.3 R20.2 | length 836.8
  Top Layer w10: P5.3 1639.65,458.09 R20.2
NetQ1_1: Q1.1 R5.2 R6.1 | length 148.9
  Top Layer w10: Q1.1 1450.58,900.43 R5.2 1452.91,974.83 R6.1
PWRKEY: U2.7
RED_LED: D2.K U1.15 | length 956.1
  Top Layer w10: D2.K 969.06,1856.09 1118.65,1856.09 1266.65,1708.09 1266.65,1531.09 1421.02,1376.72 U1.15
RESET: C3.2 R1.1 U1.7 | length 370.2
  Top Layer w10: C3.2 1437.65,1663.43 R1.1 1469.32,1610.88 1525.11,1555.09 1635.65,1555.09 1654.54,1536.2 U1.7
RXD_DBG: P4.3 U2.38 | length 418.6
  Top Layer w15: P4.3 171.65,1562.09 280.03,1453.71 U2.38
SIM_CLK: R15.1 U2.13 | length 613.5
  Top Layer w10: R15.1 963.65,578.09 1061.76,676.2 U2.13
SIM_DATA: R13.1 R16.1 U2.11 | length 515
  Top Layer w10: R13.1 918.65,929.09 v1(948.65,959.09) 975.14,985.59 U2.11 ; R16.1 905.85,691.29 v1(949.65,735.09)
  Bottom Layer w10: v1(948.65,959.09) 948.65,736.09 v1(949.65,735.09)
SIM_GND: C26.2 SIM1.4 U2.10 U4.1 | length 995.9
  Top Layer w10: U4.1 179.08,727.53 293.39,841.84 SIM1.4 697.71,869.89 C26.2 756.91,958.36 778.65,980.09 905.65,980.09 931.83,1006.28 U2.10
SIM_RST: R14.1 U2.12 | length 362.9
  Top Layer w10: R14.1 953.05,804.49 1018.45,869.9 U2.12
SIM_VCC: C26.1 R13.2 SIM1.1 U2.14 U4.8 | length 1131.2
  Top Layer w10: SIM1.1 755.39,791.84 790.38,826.83 v1@790.38,871.83 ; v1@785.65,867.09 v1@790.38,871.83 ; v1(790.65,872.09) v1@790.38,871.83 ; R13.2 C26.1 v1@790.38,871.83 ; v1(1005.42,1193.87) U2.14
  Top Layer w12: U4.8 473.65,693.09 572.39,791.84 SIM1.1
  Bottom Layer w10: v1(790.65,872.09) 790.65,979.09 v1(1005.42,1193.87)
STM32_DRX: R20.1 U1.31 | length 328
  Top Layer w10: R20.1 1639.65,915.09 1674.22,949.67 U1.31 U1.31@1674.16,1148.32
STM32_DTX: R19.1 U1.30 | length 340.4
  Top Layer w10: R19.1 1589.65,913.09 1654.54,977.98 U1.30
STM32_RESET: R5.1 U1.25 | length 279.2
  Top Layer w10: R5.1 1556.11,967.83 U1.25
STM32_RX: R10.2 U1.22 | length 304.3
  Top Layer w10: R10.2 1360.37,1369.46 1369.42,1360.41 1385.33,1360.41 v1(1400.65,1345.09) ; v1(1402.48,1238.93) U1.22
  Bottom Layer w10: v1(1400.65,1345.09) 1400.65,1240.76 v1(1402.48,1238.93)
STM32_TX: R9.2 U1.21 | length 215.8
  Top Layer w10: R9.2 1372.65,1322.09 1436.13,1258.61 U1.21
SWCLK: P3.3 U1.37 | length 308.6
  Top Layer w10: U1.37 1901.11,1199.56 P3.3
SWDIO: P3.2 U1.34 | length 523.3
  Top Layer w10: U1.34 1733.28,1081.46 1751.65,1063.09 1923.65,1063.09 1986.65,1126.09 1986.65,1185.09 P3.2
TEVS_VCC: C29.2 C30.1 P5.1 R17.2 U3.8 | length 669.3
  Top Layer w12: R17.2@1190.65,589.63 1224.18,589.63 1238.65,604.09 U3.8
  Top Layer w25: P5.1 1087.76,111.98 C30.1 1087.76,562.2 1115.18,589.63 C29.2 R17.2@1190.65,589.63
TXD_DBG: P4.2 U2.39 | length 395.1
  Top Layer w15: P4.2 173.65,1462.09 225.34,1410.4 U2.39
VCC_STM32: C6.2 C8.2 C9.2 C12.2 C14.2 C16.2 C17.1 P2.2 P3.1 R1.2 R2.1 R3.1 R7.2 U1.1 U1.9 U1.24 U1.36 U1.48 VR1.2 | length 4352.5
  Top Layer w10: C8.2 1436.65,1186.09 1450.11,1199.56 U1.24 ; R1.2 1477.97,1537.09 1596.65,1537.09 1615.17,1518.57 U1.9 ; R7.2 1631.91,1994.36 1652.65,2015.09 P2.2 ; U1.36 1913.36,1148.38 C14.2 ; U1.1 1789.83,1467.28 1849.7,1527.15 C9.2 ; U1.48 1839.86,1416.09 C12.2
  Top Layer w12: R3.1 809.65,1964.36 v1(809.65,1883.09) ; R2.1 v1(1184.65,1885.09) ; C6.2 1437.59,1577.36 R1.2
  Top Layer w25: v1(1716.15,1033.09) 1716.15,1030.59 1771.65,975.09 C16.2 1778.61,915.13 1804.59,889.15 C17.1 1804.59,696.51 VR1.2
  Bottom Layer w12: v1@811.65,1885.09 v1(1184.65,1885.09) 1565.65,1885.09 ; 1565.65,1611.09 1565.65,1885.09 ; P2.2 1565.65,1885.09
  Bottom Layer w25: v1(809.65,1883.09) v1@811.65,1885.09 ; 1565.65,1611.09 1446.65,1492.09 1446.65,1177.09 1490.65,1133.09 1613.65,1133.09 1713.65,1033.09 v1(1716.15,1033.09) 1763.65,1033.09 1869.65,1139.09 v1@1869.65,1150.09 ; v1(1836.65,1510.09) 1836.65,1508.09 1869.65,1475.09 v1(1869.65,1446.09) v1@1869.65,1150.09 ; v1(1868.65,1149.09) v1@1869.65,1150.09 ; P3.1 1882.65,1163.09 v1@1869.65,1150.09
  other v1: 1437.65,1183.09 1488.65,1536.09
VDD_EXT: R8.2 U2.24 | length 631.3
  Top Layer w10: v1(1016.65,1537.09) 1016.65,1666.47 U2.24 ; R8.2 1333.38,1220.36 v1(1333.65,1220.09)
  Bottom Layer w12: v1(1016.65,1537.09) v1(1333.65,1220.09)
WAKE: C11.1 P2.1 R4.2 U1.2 | length 776.7
  Top Layer w10: U1.2 1752.96,1523.41 1795.65,1566.09 1873.65,1566.09 1922.65,1615.09 1922.65,1760.09 1819.91,1862.83 R4.2 ; C11.1@1760.38,1925.36 1762.11,1927.09 R4.2 ; P2.1 1795.65,1951.36 R4.2
pads on no net: C30.2 SIM1.5 U1.10 U1.11 U1.16 U1.17 U1.18 U1.19 U1.20 U1.26 U1.28 U1.29 U1.32 U1.33 U1.38 U1.39 U1.40 U1.41 U1.42 U1.43 U1.45 U1.46 U2.2 U2.3 U2.4 U2.5 U2.6 U2.8 U2.9 U2.16 U2.19 U2.20 U2.21 U2.22 U2.23 U2.25 U2.26 U2.28 U2.29 U2.30 U2.31 U2.32 U2.33 U2.44 U2.45 U2.46 U2.47 U2.48 U2.49 U2.50 U2.51 U2.52 U2.53 U2.54 U2.55 U2.56 U2.57 U2.58 U4.2 U4.4 U4.5 Y2.2 Y2.4
copper on no net:
  other v1: 433,282 318,284
  other v2: 118.11,118.11 2047.24,118.11 118.11,2047.24 2047.24,2047.24

## Polygon pours and split planes (outlines as drawn)
GND on Bottom Layer "Top Layer-No Net 1" (solid, remove dead copper, pour order 7): 0,2165.35 0,0 2165.35,0 2165.35,2165.35
GND on Top Layer "Top Layer-No Net 1" (solid, remove dead copper, pour order 6): 0,2165.35 0,0 2165.35,0 2165.35,2165.35

## Keep-outs
Keep-Out Layer:
  the board outline again, w10

## Other copper
Top Layer:
  pour cut-out: 507.51,1930.4 507.51,1837.23 507.65,1837.09 574.65,1837.09 574.65,1929.54 573.78,1930.4

## Silkscreen, mask and mechanical layers (free items; w line width, h text height)
Top Overlay:
  text "RX" at 1344.65,2081.09 h60
  text "TX" at 1454.65,2080.09 h60
  text "WAKE" at 1668.65,2080.09 h60
  text "GND" at 1215.65,2079.09 h60
  text "GND" at 2007.65,1431.09 h60 r90
  text "CK" at 2007.65,1327.09 h60 r90
  text "DO" at 2005.65,1226.09 h60 r90
  text "V3" at 2004.65,1124.09 h60 r90
  text "2019_01_04" at 228.65,197.09 h60
  text "V6V" at 1105.65,185.09 h60 r90
  text "GND" at 1578.65,177.09 h60
  text "GND" at 1414.65,176.09 h60 r90
  text "VCC" at 1715.65,176.09 h60
  text "DTX" at 1207.65,175.09 h60 r90
  text "DRX" at 1309.65,170.09 h60 r90
Mechanical 1:
  the board outline again, w10